# Altium PCB Motor_Controller.PcbDoc (part 1 of 2) (continued)
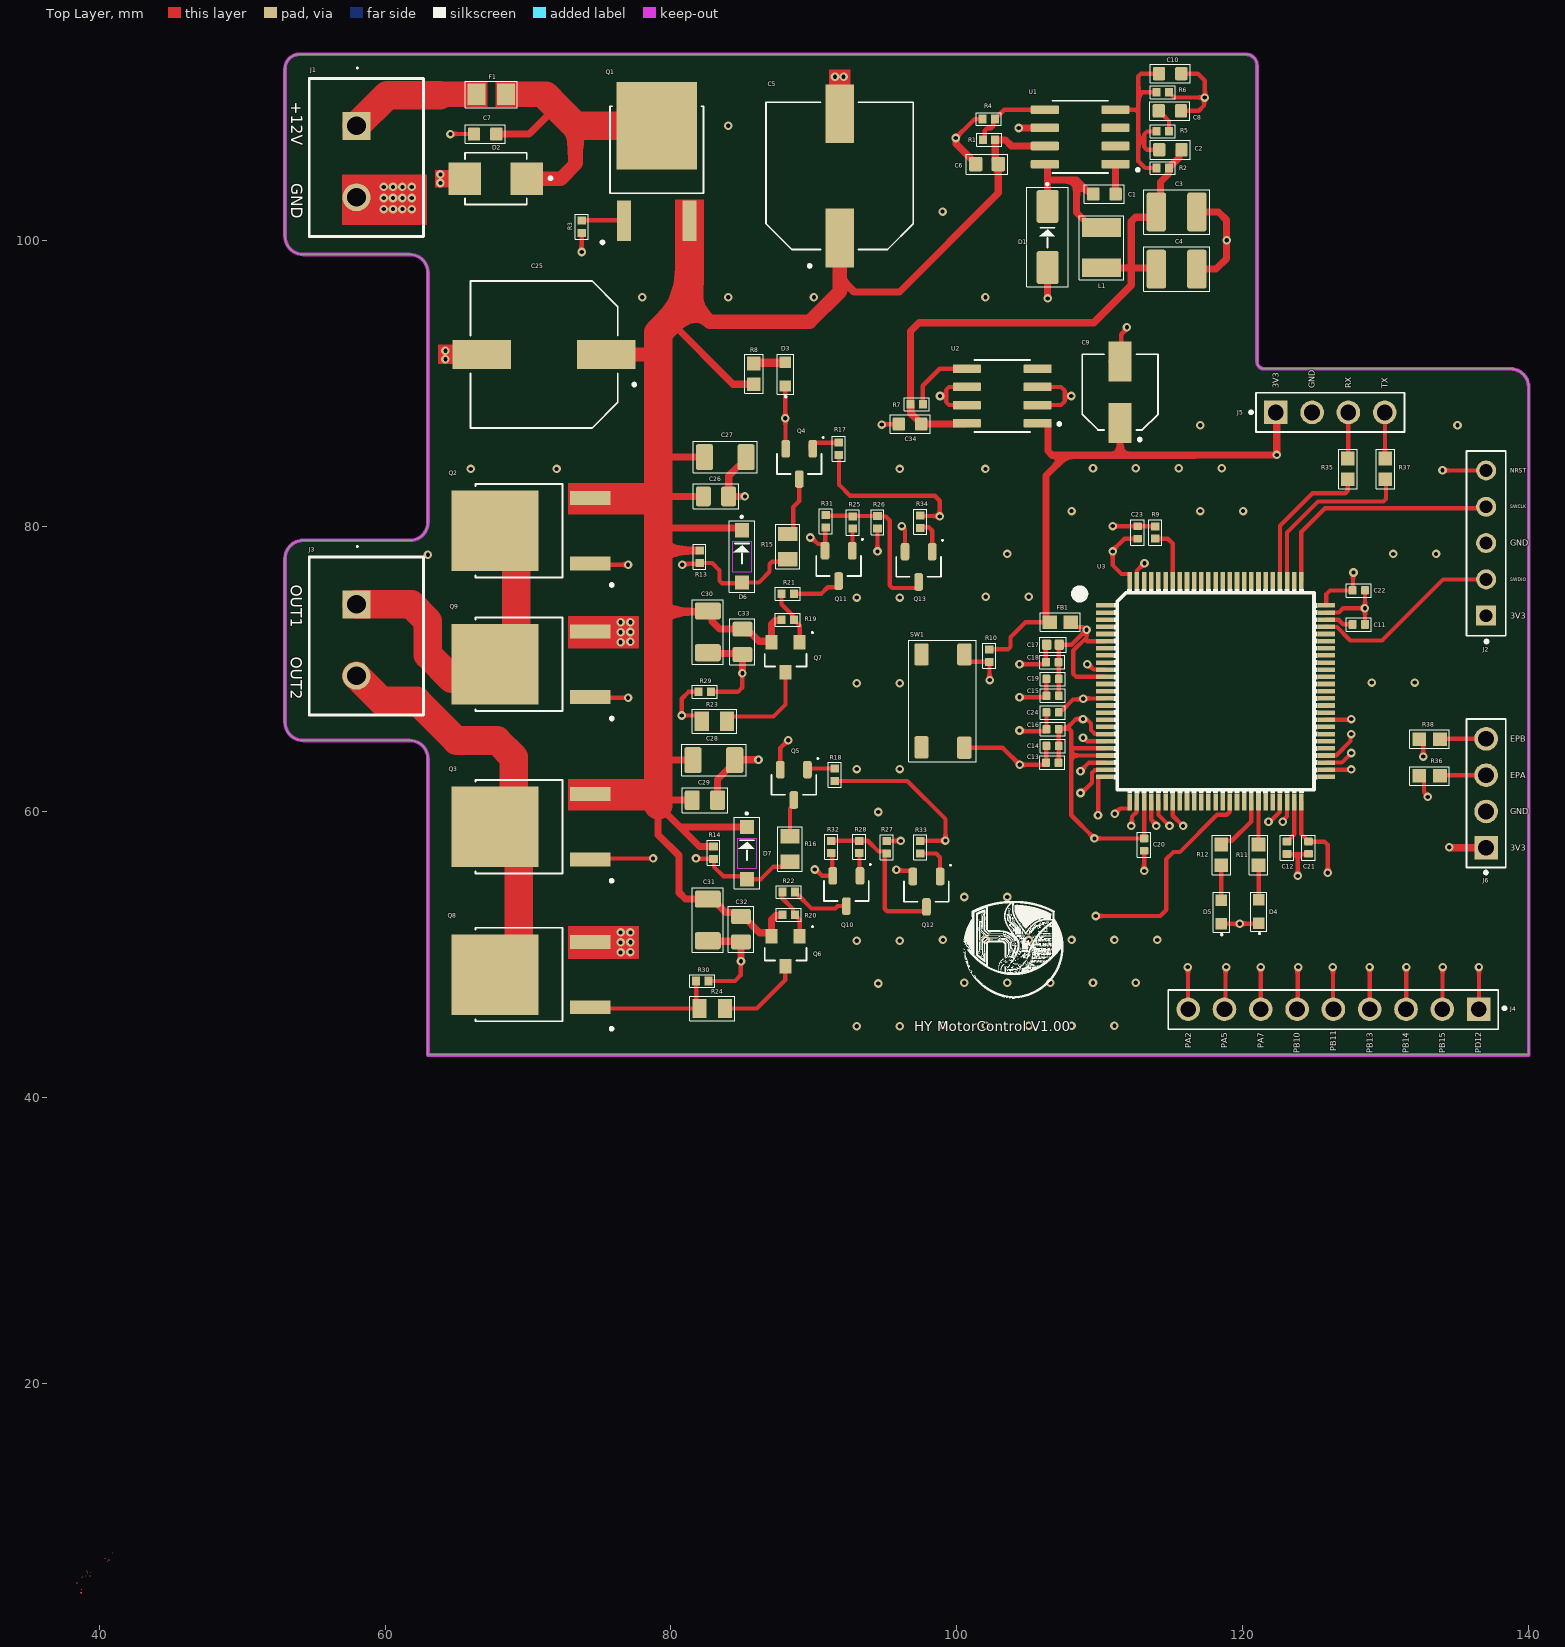
[diagram p0: Top Layer view]
## Components (designator, comment, footprint, x,y, rotation, side; value= is the part's Value field where it differs from the comment)
C1 "100nF" "CAP 0603 100NF" 110.325,103.225 r180 top
C2 "2.2µF" "CAP 0603 2.2UF" 114.935,106.325 r0 top
C3 "47µF" CL32A476KOJNNNE 115.375,101.975 r180 top
C4 "47µF" CL32A476KOJNNNE 115.375,97.975 r180 top
C5 "100µF" CAP_EEHZA1H101P 91.8,104.5 r90 top
C6 "4.7µF" "CAP 0603 4.7UF" 102.11,105.325 r0 top
C7 "100nF" "CAP 0603 100NF" 67,107.425 r0 top
C8 "100nF" "CAP 0603 100NF" 114.9,109.05 r180 top
C9 "10µF" CAP_EEEFK1H100UR 111.425,89.375 r90 top
C10 "150pF" "CAP 0603 150PF" 114.92,111.65 r180 top
C11 "2.2µF" "CAP 0402 2.2UF" 128.118,73.125 r180 top
C12 "2.2µF" "CAP 0402 2.2UF" 123.1,57.5 r90 top
C13 "1µF" "CAP 1UF 0402" 106.675,63.45 r0 top
C14 "100nF" "CAP 100NF 0402" 106.7,64.621 r0 top
C15 "1µF" "CAP 1UF 0402" 106.7,68.136 r0 top
C16 "100nF" "CAP 100NF 0402" 106.7,65.793 r0 top
C17 "4.7µF" "CAP 0402 4.7UF" 106.725,71.7 r0 top
C18 "100nF" "CAP 100NF 0402" 106.675,70.479 r0 top
C19 "100nF" "CAP 100NF 0402" 106.7,69.307 r0 top
C20 "100nF" "CAP 100NF 0402" 113.1,57.718 r90 top
C21 "100nF" "CAP 100NF 0402" 124.6,57.5 r90 top
C22 "100nF" "CAP 100NF 0402" 128.118,75.5 r180 top
C23 "100nF" "CAP 100NF 0402" 112.65,79.55 r270 top
C24 "100nF" "CAP 100NF 0402" 106.7,66.964 r0 top
C25 "100µF" CAP_EEHZA1H101P 71.125,92 r180 top
C26 "100nF" CL21B104KBCNNNC 83.15,82.075 r180 top
C27 "2.2µF" CAPC3216X180N 83.8,84.825 r180 top
C28 "2.2µF" CAPC3216X180N 83,63.625 r180 top
C29 "100nF" CL21B104KBCNNNC 82.375,60.825 r180 top
C30 "2.2µF" CAPC3216X180N 82.575,72.6 r270 top
C31 "2.2µF" CAPC3216X180N 82.575,52.45 r90 top
C32 "100nF" CL21B104KBCNNNC 84.9,51.8 r90 top
C33 "100nF" CL21B104KBCNNNC 85,71.9 r270 top
C34 "100nF" "CAP 0603 100NF" 96.725,87.135 r0 top
D1 "B340AE-13" "DIODE B340AE-13" 106.35,100.225 r270 top
D2 "SMBJ15A-HT" "TVS DIODE SMBJ15A" 67.75,104.3 r180 top
D3 "LED GREEN" "LED GREEN 0603 APT1608CGCK" 88,90.625 r90 top
D4 "LED RED" "LED RED 0603 APT1608EC" 121.125,53.025 r90 top
D5 "LED GREEN" "LED GREEN 0603 APT1608CGCK" 118.5,53 r90 top
D6 "BZT52C15-7-F" "DIODE ZENER BZT52C15-7-F" 84.975,75.875 r270 top
D7 "BZT52C15-7-F" "DIODE ZENER BZT52C15-7-F" 85.325,55.125 r270 top
F1 "FUSE 4A" "FUSE 0805 MFU0805FF04000P100" 67.425,110.2 r180 top
FB1 "BLM18PG221SN1D" "FB 0603 BLM18PG221SN1D" 107.225,73.275 r0 top
J1 "2x1 5mm T.B." "TERMINAL BLOCK 2X1" 58,108 r270 top
J2 "Header 5x1" "5X1 HEADER" 137.025,78.81 r90 top
J3 "2x1 5mm T.B." "TERMINAL BLOCK 2X1" 58,74.525 r270 top
J4 "Header 9x1" "9X1 HEADER" 126.342,46.149 r180 top
J5 "Header 4x1" "4X1 HEADER" 126.12,87.95 r0 top
J6 "Header 4x1" "4X1 HEADER" 137.025,61.305 r90 top
L1 "68µH" "IND CBC3225T680KR 68UH" 110.125,99.475 r270 top
Q1 "PJD50P04" "TO252 (DPAK) IRFR024NTRPBF" 79,105.5 r90 top
Q2 "IRFR9024N" "TO252 (DPAK) IRFR024NTRPBF" 70.2,79.675 r180 top
Q3 "IRFR9024N" "TO252 (DPAK) IRFR024NTRPBF" 70.2,58.975 r180 top
Q4 "MMBT2222A" "SOT23-3 MMBT2222A-HT" 88.975,84.35 r270 top
Q5 "MMBT2222A" "SOT23-3 MMBT2222A-HT" 88.6,61.9 r270 top
Q6 "MMBT2907A" TRANS_MMBT2907A 88.02,50.25 r270 top
Q7 "MMBT2907A" TRANS_MMBT2907A 88.02,70.825 r270 top
Q8 "IRFR024NTRPBF" "TO252 (DPAK) IRFR024NTRPBF" 70.2,48.625 r180 top
Q9 "IRFR024NTRPBF" "TO252 (DPAK) IRFR024NTRPBF" 70.2,70.325 r180 top
Q10 "MMBT2222A" "SOT23-3 MMBT2222A-HT" 92.275,54.475 r270 top
Q11 "MMBT2222A" "SOT23-3 MMBT2222A-HT" 91.725,77.215 r270 top
Q12 "MMBT2222A" "SOT23-3 MMBT2222A-HT" 97.875,54.425 r270 top
Q13 "MMBT2222A" "SOT23-3 MMBT2222A-HT" 97.325,77.15 r270 top
R1 "100k" "RES 0402 ROYALOHM GENERAL" 102.25,107.025 r0 top
R2 "10k" "RES 0402 ROYALOHM GENERAL" 114.41,105.05 r0 top
R3 "10k" "RES 0402 ROYALOHM GENERAL" 73.75,100.95 r90 top
R4 "36k" "RES 0402 ROYALOHM GENERAL" 102.24,108.475 r0 top
R5 "1.8k" "RES 0402 ROYALOHM GENERAL" 114.4,107.625 r180 top
R6 "3.24k" "RES 0402 ROYALOHM GENERAL" 114.4,110.35 r180 top
R7 "10k" "RES 0402 ROYALOHM GENERAL" 97.185,88.535 r0 top
R8 "4.7k" "ROYALOHM 0603 RES" 85.8,90.65 r270 top
R9 "10k" "RES 0402 ROYALOHM GENERAL" 113.875,79.55 r90 top
R10 "10k" "RES 0402 ROYALOHM GENERAL" 102.275,70.94 r90 top
R11 "360R" "ROYALOHM 0603 RES" 121.1,57 r90 top
R12 "330R" "ROYALOHM 0603 RES" 118.5,57 r90 top
R13 "10k" "RES 0402 ROYALOHM GENERAL" 82,77.85 r90 top
R14 "10k" "RES 0402 ROYALOHM GENERAL" 82.975,57.15 r90 top
R15 "402R" "CHIP RES 0805 1K" 88.175,78.575 r270 top
R16 "402R" "CHIP RES 0805 1K" 88.325,57.4 r90 top
R17 "2.2k" "RES 0402 ROYALOHM GENERAL" 91.75,85.4 r90 top
R18 "2.2k" "RES 0402 ROYALOHM GENERAL" 91.45,62.6 r270 top
R19 "10k" "RES 0402 ROYALOHM GENERAL" 88.175,73.45 r180 top
R20 "10k" "RES 0402 ROYALOHM GENERAL" 88.24,52.8 r180 top
R21 "1k" "RES 0402 ROYALOHM GENERAL" 88.175,75.275 r180 top
R22 "1k" "RES 0402 ROYALOHM GENERAL" 88.25,54.4 r0 top
R23 "200R" "CHIP RES 0805 1K" 83.05,66.35 r180 top
R24 "200R" "CHIP RES 0805 1K" 82.875,46.25 r0 top
R25 "1k" "RES 0402 ROYALOHM GENERAL" 92.725,80.25 r270 top
R26 "1k" "RES 0402 ROYALOHM GENERAL" 94.45,80.275 r270 top
R27 "1k" "RES 0402 ROYALOHM GENERAL" 95.108,57.54 r270 top
R28 "1k" "RES 0402 ROYALOHM GENERAL" 93.167,57.55 r90 top
R29 "47k" "RES 0402 ROYALOHM GENERAL" 82.35,68.4 r0 top
R30 "47k" "RES 0402 ROYALOHM GENERAL" 82.2,48.175 r180 top
R31 "47k" "RES 0402 ROYALOHM GENERAL" 90.825,80.325 r270 top
R32 "47k" "RES 0402 ROYALOHM GENERAL" 91.225,57.55 r90 top
R33 "10k" "RES 0402 ROYALOHM GENERAL" 97.45,57.525 r270 top
R34 "10k" "RES 0402 ROYALOHM GENERAL" 97.45,80.3 r270 top
R35 "47R" "ROYALOHM 0603 RES" 127.35,84 r270 top
R36 "47R" "ROYALOHM 0603 RES" 133.075,62.525 r180 top
R37 "47R" "ROYALOHM 0603 RES" 129.975,84 r270 top
R38 "47R" "ROYALOHM 0603 RES" 133.075,65.1 r180 top
SW1 "SWITCH" "PTS647SM50SMTR2 SMD BUTTON" 98.595,67.799 r90 top
U1 "TPS5410D" SOIC127TPS5410DR 108.625,107.225 r180 top
U2 "L4931ABD33-TR" "LDO L4931ABD33-TR SOIC8" 103.175,89.1 r180 top
U3 "STM32F407VET6" LQFP100-0.5-13.8X13.8MM 118.1,68.45 r0 top

## Footprints (in the part's own frame and the unit in brackets; to place one, negate y for a bottom-side part, rotate by r counter-clockwise, add the part's x,y. Pads: shape width x height; smd on the part's side, far side on the other; paste and mask are expansions set on the pad)
"4X1 HEADER" [mm]
  rect 1.65x1.65 / inner round 1.65 / far side rect 1.65x1.65 hole 1.1: 1(-3.81,0)
  round 1.65 hole 1.1: 2(-1.27,0) 3(1.27,0) 4(3.81,0)
  silkscreen extent -5.64,-1.37 5.21,1.37, body extent -5.08,-1.27 5.08,1.27, height 9.2
"5X1 HEADER" [mm]
  rect 1.398x1.398 / inner round 1.398 / far side rect 1.398x1.398 hole 0.89: 1(-5.08,0)
  round 1.398 hole 0.89: 2(-2.54,0) 3(0,0) 4(2.54,0) 5(5.08,0)
  silkscreen extent -6.98,-1.37 6.45,1.37, body extent -6.35,-1.27 6.35,1.27, height 7.89
"9X1 HEADER" [mm]
  rect 1.65x1.65 / inner round 1.65 / far side rect 1.65x1.65 hole 1.1: 1(-10.16,-0.051)
  round 1.65 hole 1.1: 2(-7.62,-0.051) 3(-5.08,-0.051) 4(-2.54,-0.051) 5(0,-0.051) 6(2.54,-0.051) 7(5.08,-0.051) 8(7.62,-0.051) 9(10.16,-0.051)
  silkscreen extent -12.07,-1.4 11.56,1.35, body extent -11.4,-1.3 11.46,1.24, height 9.2
"CAP 1UF 0402" [mm]
  rrect25% 0.54x0.6 smd: 1(-0.432,0) 2(0.432,0)
  silkscreen extent -0.88,-0.48 0.87,0.48, body extent -0.5,-0.25 0.5,0.25, height 0.55
"CAP 100NF 0402" [mm]
  rrect25% 0.54x0.6 smd: 1(-0.432,0) 2(0.432,0)
  silkscreen extent -0.87,-0.48 0.87,0.48, body extent -0.5,-0.25 0.5,0.25, height 0.55
"CAP 0402 2.2UF" [mm]
  rrect25% 0.56x0.63 smd paste+0 mask+0.102: 1(-0.435,0) 2(0.435,0)
  silkscreen extent -0.87,-0.48 0.87,0.48, body extent -0.5,-0.25 0.5,0.25, height 0.6
"CAP 0402 4.7UF" [mm]
  rrect25% 0.64x0.72 smd paste+0 mask+0.102: 1(-0.439,0) 2(0.439,0)
  silkscreen extent -0.92,-0.53 0.92,0.53, body extent -0.5,-0.25 0.5,0.25, height 0.55
"CAP 0603 2.2UF" [mm]
  rrect25% 0.87x0.93 smd: 1(-0.78,0) 2(0.78,0)
  silkscreen extent -1.4,-0.65 1.4,0.65, body extent -0.8,-0.45 0.8,0.45, height 0.78
"CAP 0603 4.7UF" [mm]
  rrect25% 0.94x1.02 smd paste+0 mask+0.102: 1(-0.79,0) 2(0.79,0)
  silkscreen extent -1.45,-0.7 1.45,0.7, body extent -0.8,-0.4 0.8,0.4, height 1
"CAP 0603 100NF" [mm]
  rrect25% 0.87x0.93 smd paste+0 mask+0.102: 1(-0.78,0) 2(0.78,0)
  silkscreen extent -1.4,-0.65 1.4,0.65, body extent -0.8,-0.4 0.8,0.4, height 0.9
"CAP 0603 150PF" [mm]
  rrect25% 0.87x0.93 smd: 1(-0.78,0) 2(0.78,0)
  silkscreen extent -1.4,-0.65 1.4,0.65, body extent -0.8,-0.4 0.8,0.4, height 0.9
CAP_EEEFK1H100UR [mm]
  rect 2.8x1.6 smd: 1(-2.15,0) 2(2.15,0)
  silkscreen extent -3.42,-2.65 2.65,2.65, body extent -3,-2.65 3,2.65, height 5.8
CAP_EEHZA1H101P [mm]
  rect 4.1x2 smd: 1(-4.35,0) 2(4.35,0)
  silkscreen extent -6.4,-5.15 5.15,5.15, body extent -5.85,-5.15 5.85,5.15, height 10.2
CAPC3216X180N [mm]
  rrect25% 1.2x1.82 smd paste+0 mask+0.102: 1(-1.46,0) 2(1.46,0)
  silkscreen extent -2.25,-1.1 2.25,1.1, body extent -1.6,-0.8 1.6,0.8, height 1.8
"CHIP RES 0805 1K" [mm]
  rect 1x1.35 smd: 1(-0.875,0) 2(0.9,0)
  silkscreen extent -1.55,-0.85 1.58,0.85, body extent -0.95,-0.63 1.05,0.63, height 0.6
CL21B104KBCNNNC [mm]
  rrect25% 1.05x1.38 smd: 1(-0.888,0) 2(0.888,0)
  silkscreen extent -1.6,-0.87 1.6,0.87, body extent -1,-0.63 1,0.63, height 0.95
CL32A476KOJNNNE [mm]
  rrect25% 1.37x2.72 smd: 1(-1.421,0) 2(1.421,0)
  silkscreen extent -2.3,-1.55 2.3,1.55, body extent -1.52,-1.25 1.68,1.25, height 2.7
"DIODE B340AE-13" [mm]
  rrect25% 2.33x1.55 smd: A(2.135,0) C(-2.135,0)
  silkscreen extent -3.74,-1.45 3.47,1.45, body extent -2.6,-1.3 2.6,1.3, height 2.4
"DIODE ZENER BZT52C15-7-F" [mm]
  rect 1x1 smd paste+0 mask+0.102: A(-0.175,0) C(-3.825,0)
  Keep-Out Layer region: -0.889,-0.635 -3.048,-0.635 -3.048,0.635 -0.889,0.635
  silkscreen extent -4.82,-0.9 0.5,0.9, body extent -3.85,-0.77 -0.2,0.77, height 1.42
"FB 0603 BLM18PG221SN1D" [mm]
  rect 1x0.97 smd: 1(-0.735,0) 2(0.735,0)
  silkscreen extent -1.4,-0.65 1.4,0.65, body extent -0.84,-0.48 0.76,0.48, height 0.78
"FUSE 0805 MFU0805FF04000P100" [mm]
  rect 1.25x1.5 smd: 1(-1.025,0) 2(1.025,0)
  silkscreen extent -1.83,-0.92 1.83,0.92, body extent -1.03,-0.72 1.08,0.69, height 0.56
"IND CBC3225T680KR 68UH" [mm]
  rect 1.3x2.72 smd: 1(-1.41,0) 2(1.41,0)
  silkscreen extent -2.25,-1.55 2.25,1.55, body extent -1.6,-1.27 1.6,1.43, height 2.47
"LDO L4931ABD33-TR SOIC8" [mm]
  rrect25% 1.97x0.6 smd: 1(-2.475,1.905) 2(-2.475,0.635) 3(-2.475,-0.635) 4(-2.475,-1.905) 5(2.475,-1.905) 6(2.475,-0.635) 7(2.475,0.635) 8(2.475,1.905)
  silkscreen extent -4.09,-2.52 1.95,2.52, body extent -3,-2.45 3,2.45, height 1.75
"LED GREEN 0603 APT1608CGCK" [mm]
  rect 0.8x0.8 smd: A(0.825,0) C(-0.825,0)
  silkscreen extent -1.59,-0.58 1.4,0.58, body extent -0.8,-0.4 0.8,0.4, height 0.75
"LED RED 0603 APT1608EC" [mm]
  rect 0.8x0.8 smd: A(0.825,0) C(-0.825,0)
  silkscreen extent -1.53,-0.55 1.38,0.55, body extent -0.8,-0.4 0.8,0.4, height 0.75
LQFP100-0.5-13.8X13.8MM [mm]
  rect 1.2x0.32 smd: 1(-7.75,6) 2(-7.75,5.5) 3(-7.75,5) 4(-7.75,4.5) 5(-7.75,4) 6(-7.75,3.5) 7(-7.75,3) 8(-7.75,2.5) 9(-7.75,2) 10(-7.75,1.5) 11(-7.75,1) 12(-7.75,0.5) 13(-7.75,0) 14(-7.75,-0.5) 15(-7.75,-1) 16(-7.75,-1.5) 17(-7.75,-2) 18(-7.75,-2.5) 19(-7.75,-3) 20(-7.75,-3.5) 21(-7.75,-4) 22(-7.75,-4.5) 23(-7.75,-5) 24(-7.75,-5.5) 25(-7.75,-6) 51(7.75,-6) 52(7.75,-5.5) 53(7.75,-5) 54(7.75,-4.5) 55(7.75,-4) 56(7.75,-3.5) 57(7.75,-3) 58(7.75,-2.5) 59(7.75,-2) 60(7.75,-1.5) 61(7.75,-1) 62(7.75,-0.5) 63(7.75,0) 64(7.75,0.5) 65(7.75,1) 66(7.75,1.5) 67(7.75,2) 68(7.75,2.5) 69(7.75,3) 70(7.75,3.5) 71(7.75,4) 72(7.75,4.5) 73(7.75,5) 74(7.75,5.5) 75(7.75,6)
  rect 0.32x1.2 smd: 26(-6,-7.75) 27(-5.5,-7.75) 28(-5,-7.75) 29(-4.5,-7.75) 30(-4,-7.75) 31(-3.5,-7.75) 32(-3,-7.75) 33(-2.5,-7.75) 34(-2,-7.75) 35(-1.5,-7.75) 36(-1,-7.75) 37(-0.5,-7.75) 38(0,-7.75) 39(0.5,-7.75) 40(1,-7.75) 41(1.5,-7.75) 42(2,-7.75) 43(2.5,-7.75) 44(3,-7.75) 45(3.5,-7.75) 46(4,-7.75) 47(4.5,-7.75) 48(5,-7.75) 49(5.5,-7.75) 50(6,-7.75) 76(6,7.75) 77(5.5,7.75) 78(5,7.75) 79(4.5,7.75) 80(4,7.75) 81(3.5,7.75) 82(3,7.75) 83(2.5,7.75) 84(2,7.75) 85(1.5,7.75) 86(1,7.75) 87(0.5,7.75) 88(0,7.75) 89(-0.5,7.75) 90(-1,7.75) 91(-1.5,7.75) 92(-2,7.75) 93(-2.5,7.75) 94(-3,7.75) 95(-3.5,7.75) 96(-4,7.75) 97(-4.5,7.75) 98(-5,7.75) 99(-5.5,7.75) 100(-6,7.75)
  silkscreen extent -9.81,-7.13 7.11,7.11, body extent -8,-8 8,8, height 1.6
"PTS647SM50SMTR2 SMD BUTTON" [mm]
  rrect25% 1.55x1 smd paste+0 mask+0.102: 1(-3.277,1.067) 2(-3.302,-1.93) 3(3.226,1.067) 4(3.226,-1.93)
  silkscreen extent -4.28,-2.75 4.2,1.95, body extent -3.33,-2.66 3.17,1.84, height 5
"RES 0402 ROYALOHM GENERAL" [mm]
  rect 0.56x0.6 smd: 1(-0.435,0) 2(0.435,0)
  silkscreen extent -0.87,-0.45 0.87,0.45, body extent -0.5,-0.25 0.5,0.25, height 0.35
"ROYALOHM 0603 RES" [mm]
  rect 0.95x0.95 smd: 1(-0.725,0) 2(0.725,0)
  silkscreen extent -1.38,-0.65 1.38,0.65, body extent -0.77,-0.4 0.83,0.4, height 0.55
SOIC127TPS5410DR [mm]
  rrect25% 1.97x0.6 smd paste+0 mask+0.102: 1(-2.47,1.905) 2(-2.47,0.635) 3(-2.47,-0.635) 4(-2.47,-1.905) 5(2.47,-1.905) 6(2.47,-0.635) 7(2.47,0.635) 8(2.47,1.905)
  silkscreen extent -4.14,-2.52 1.95,2.52, body extent -3,-2.45 3,2.45, height 1.75
"SOT23-3 MMBT2222A-HT" [mm]
  rrect50% 1.23x0.6 smd: 1(-1.06,0.95) 2(-1.06,-0.95) 3(1.06,0)
  silkscreen extent -1.9,-1.56 0.7,1.73, body extent -1.2,-1.46 1.2,1.46, height 1.2
"TERMINAL BLOCK 2X1" [mm]
  rect 1.95x1.95 hole 1.3: 1(0,0)
  round 1.95 hole 1.3: 2(5,0)
  silkscreen extent -4.09,-3.3 7.75,4.7, body extent -3.1,-3.1 7.5,4.5, height 10
"TO252 (DPAK) IRFR024NTRPBF" [mm]
  rect 2.83x0.97 smd: 1(-4.14,2.29) 3(-4.14,-2.29)
  rect 6.1x5.63 smd paste-4: 4(2.51,0)
  silkscreen extent -5.75,-3.27 3.87,3.89, body extent -4.95,-3.27 4.95,3.27, height 2.39
TRANS_MMBT2907A [mm]
  rect 1x0.85 smd paste+0 mask+0.102: 1(-1.05,0.98) 2(-1.05,-0.98) 3(1.05,0)
  silkscreen extent -1.77,-1.46 0.65,1.92, body extent -1.19,-1.46 1.19,1.46, height 1.12
"TVS DIODE SMBJ15A" [mm]
  rect 2.28x2.28 smd paste+0 mask+0.102: A(2.165,0) C(-2.159,0)
  silkscreen extent -3.93,-1.81 2.16,1.81, body extent -2.68,-1.81 2.68,1.81, height 2.65

## Part data
C1 C7 C8 C34: library part "CAP 0603 100nF", "MLCC (1608) 0603 100nF 50VDC ±10% X7R AUTOMOTIVE CL10B104KB85PNC", Dielectric Material=X7R, Manufacturer=SAMSUNG, Manufacturer Code=CL10B104KB85PNC, Operation Temperature="-55 °C ~ +125 °C", Package / Case="0603 (1608 Metric)", Tolerance="±10 %", Voltage Rating="50 VDC", Capacitance=100nF, Manufacturer Site=https://www.ozdisan.com/en/p/smt-smd-and-mlcc-capacitors-184/samsung-cl10b104kb85pnc-522216, Mounting Type=SMT
C2: library part "CAP 0603 2.2uF", "MLCC (1608) 0603 2.2uF 16VDC ±10% X5R CL10A225KO8NNNC", Dielectric Material=X5R, Manufacturer=SAMSUNG, Manufacturer Code=CL10A225KO8NNNC, Operation Temperature="-55 °C ~ +85 °C", Package / Case="0603 (1608 Metric)", Tolerance="±10 %", Voltage Rating="16 VDC", Capacitance=2.2µF, Manufacturer Site=https://www.ozdisan.com/en/p/smt-smd-and-mlcc-capacitors-184/samsung-cl10a225ko8nnnc-497655, Mounting Type=SMT
C3 C4: library part "CAP 1210 47µF", "MLCC 1210 47uF 16VDC ±10% X5R   CL32A476KOJNNNE", Dielectric Material=X5R, Manufacturer=SAMSUNG, Manufacturer Code=CL32A476KOJNNNE, Operation Temperature="-55 °C ~ +85 °C", Tolerance="±10 %", Voltage Rating="16 VDC", Capacitance=47µF, Manufacturer Site=https://www.ozdisan.com/en/p/smt-smd-and-mlcc-capacitors-184/samsung-cl32a476kojnnne-423179
C5 C25: library part "CAP 100µF", "CAP.EL.100µF 50V 10.5x10.5 105C SMD", Capacitor Type=Hybrid, Manufacturer=Panasonic, Manufacturer Code=EEH-ZA1H101P, Operating Temp.="-55 °C ~ +105 °C", Package=Radial, Surge Current="2 A", Tolerance="±20 %", Voltage Value=50VDC, Capacitance=100µF, Manufacturer Site=https://www.ozdisan.com/p/aluminyum-kapasitorler-180/panasoniceurope-eehza1h101p-614536
C6: library part "CAP 0603 4.7uF CL10A475KL8NRNC", "MLCC (1608) 0603 4.7uF 35VDC ±10% X5R CL10A475KL8NRNC", Dielectric Material=X5R, Manufacturer=SAMSUNG, Manufacturer Code=CL10A475KL8NRNC, Operation Temperature="-55 °C ~ +85 °C", Package / Case="0603 (1608 Metric)", Tolerance="±10 %", Voltage Rating="35 VDC", Capacitance=4.7µF, Manufacturer Site=https://www.ozdisan.com/en/p/smt-smd-and-mlcc-capacitors-184/samsung-cl10a475kl8nrnc-620226, Mounting Type=SMT
C9: library part "CAP 10µF Electrolytic", "CAP.EL.10uF 50V 5x5.8 105C 2000H AEC-Q200 SMT", Capacitor Type=Electrolytic, Manufacturer=PANASONIC, Manufacturer Code=EEEFK1H100UR, Operating Temperature="85 mA", Tolerance="±20 %", Voltage Rating="50 VDC", Capacitance=10µF, Manufacturer Site=https://www.ozdisan.com/en/p/aluminyum-kapasitorler-180/panasoniceurope-eeefk1h100ur-1102281
C10: library part "CAP 0603 150pF", "MLCC (1608) 0603 150pF 50VDC ±5% C0G (NP0) CL10C151JB8NNNC", Dielectric Material="C0G (NP0)", Manufacturer=SAMSUNG, Manufacturer Code=CL10C151JB8NNNC, Operation Temperature="-55 °C ~ +125 °C", Package / Case="0603 (1608 Metric)", Tolerance="±5 %", Voltage Rating="50 VDC", Capacitance=150pF, Manufacturer Site=https://www.ozdisan.com/en/p/smt-smd-and-mlcc-capacitors-184/samsung-cl10c151jb8nnnc-29957, Mounting Type=SMT
C11 C12: library part "CAP 0402 2.2uF CL05A225KO5NQNC", "MLCC (1005) 0402 2.2uF 16VDC ±10% X5R CL05A225KO5NQNC", Dielectric Material=X5R, Manufacturer=SAMSUNG, Manufacturer Code=CL05A225KO5NQNC, Operation Temperature="-55 °C ~ +85 °C", Package / Case="0402 (1005 Metric)", Tolerance="±10 %", Voltage Rating="16 VDC", Capacitance=2.2µF, Manufacturer Site=https://www.ozdisan.com/en/p/smt-smd-and-mlcc-capacitors-184/samsung-cl05a225ko5nqnc-521869
C13 C15: library part "CAP 0402 1µF CL05A105KO5NNNC", "MLCC (1005) 0402 1uF 16VDC ±10% X5R CL05A105KO5NNNC", Dielectric Material=X5R, Manufacturer=SAMSUNG, Manufacturer Code=CL05A105KO5NNNC, Operation Temperature="-55 °C ~ +85 °C", Package / Case="0402 (1005 Metric)", Tolerance="±10 %", Voltage Rating="16 VDC", Capacitance=1µF, Manufacturer Site=https://www.ozdisan.com/en/p/smt-smd-and-mlcc-capacitors-184/samsung-cl05a105ko5nnnc-402953, Mounting Type=SMT
C14 C16 C18 C19 C20 C21 C22 C23: library part "CAP 0402 100nF", "MLCC (1005) 0402 100nF 16VDC ±10% X7R", Capacitance="100 nF", Dielectric Material=X7R, Manufacturer=SAMSUNG, Manufacturer Code=CL05B104KO5NNNC, Operation Temperature="-55 °C ~ +125 °C", Package / Case="0402 (1005 Metric)", Tolerance="±10 %", Voltage Rating="16 VDC", Manufacturer Site=https://www.ozdisan.com/en/p/smt-smd-and-mlcc-capacitors-184/samsung-cl05b104ko5nnnc-336698, Mounting Type=SMT
C17: library part "CAP 0402 4.7uF CL05A475MO5LUNC", "MLCC (1005) 0402 4.7uF 16VDC ±20% X5R CL05A475MO5LUNC", Dielectric Material=X5R, Manufacturer=SAMSUNG, Manufacturer Code=CL05A475MO5LUNC, Operation Temperature="-55 °C ~ +85 °C", Package / Case="0402 (1005 Metric)", Tolerance="±20 %", Voltage Rating="16 VDC", Capacitance=4.7µF, Manufacturer Site=https://www.ozdisan.com/en/p/smt-smd-and-mlcc-capacitors-184/samsung-cl05a475mo5lunc-1212612, Mounting Type=SMT
C24: library part "CAP 0402 100nF CL05B104KO5NNNC", "MLCC (1005) 0402 100nF 16VDC ±10% X7R CL05B104KO5NNNC", Capacitance="100 nF", Dielectric Material=X7R, Manufacturer=SAMSUNG, Manufacturer Code=CL05B104KO5NNNC, Operation Temperature="-55 °C ~ +125 °C", Package / Case="0402 (1005 Metric)", Tolerance="±10 %", Voltage Rating="16 VDC", Manufacturer Site=https://www.ozdisan.com/en/p/smt-smd-and-mlcc-capacitors-184/samsung-cl05b104ko5nnnc-336698, Mounting Type=SMT
C26 C29 C32 C33: library part "CAP 0805 100nF", "MLCC 0805 100nF 50VDC ±10% X7R", Dielectric=X7R, Manufacturer=SAMSUNG, Manufacturer Code=CL21B104KBCNNNC, Operating Temp.="-55 °C ~ +125 °C", Package Size=0805, Tolerance="±10 %", Voltage Rating=50VDC, Capacitance=100nF, Manufacturer Site=https://www.ozdisan.com/p/smt-smd-ve-mlcc-kapasitorler-184/samsung-cl21b104kbcnnnc-14777
C27 C28 C30 C31: library part "CAP 1206 2.2µF", "MLCC 1206 2.2µF 50VDC ±10% X7R", Dielectric=X7R, Manufacturer=SAMSUNG, Manufacturer Code=CL31B225KBHVPNE, Operating Temp.="-55 °C ~ +125 °C", Tolerance="±10 %", Voltage Value=50VDC, Capacitance=2.2µF, Manufacturer Site=https://www.ozdisan.com/p/smt-smd-ve-mlcc-kapasitorler-184/samsung-cl31b225kbhvpne-523411
D1: library part "DIODE SCHOTTKY B340AE-13", "DIODE SCHOTTKY 3A 40V SMA DO-214AC", Average Rectified Current=3A, Forward Voltage Drop=0.45V, Manufacturer=DIODES, Non-Repetitive Peak Forward Surge Current=80A, Operating Temperature="-55 °C ~ +150 °C", Peak Repetitive Reverse Voltage (VRRM)=40V, Manufacturer Code=B340AE-13, Manufacturer Site=https://www.ozdisan.com/en/p/schottky-diodes-385/diodes-b340ae-13-736716
D2: library part "DIODE TVS SMBJ15A-HT", "DIODE TVS 600W 15V DO214AA SMB", Manufacturer=HOTTECH, Operating Temp.="-55 °C ~ +150 °C", Peak Pulse Current=24.6, Category=TVS, Direction=Uni-Direction, Manufacturer Code=SMBJ15A-HT, Manufacturer Site=https://www.ozdisan.com/p/TVS-Diodes-386/hottech-smbj15a-ht-503592?gad_source=1&gad_campaignid=22862662318&gbraid=0AAAAADZaco9GRDpwp6nwxImxnSPU74-HV&gclid=CjwKCAiAmp3LBhAkEiwAJM2JUNsfUTvu17OkGEIhWr_5BT7x3v2LizKiIaGxyMlL1g7MMILW0EtdSxoCxEMQAvD_BwE, Vwm=15V
D3 D5: library part "SMD LED GREEN APT1608CGCK", "LED GREEN CLEAR CHIP SMD", Color=Green, Manufacturer=KINGBRIGHT, Manufacturer Code=APT1608CGCK, Max Power="75 mW", Operating Temp.="-30 °C ~ +85 °C", Package Size=0603, Transmission Current="30 mA", Transmission Voltage="2.1 - 2.5V", Light Intensity="18 - 35 cmd", Manufacturer Site=https://www.ozdisan.com/p/sinyal-ledler-tek-renkli-361/kingbright-apt1608cgck-1050108
D4: library part "SMD LED RED APT1608EC", "LED SMD 0603 RED 617nm CLEAR CHIP SMD", Manufacturer=KINGBRIGHT, Manufacturer Code=APT1608EC, Max Power="75 mW", Operating Temp.="-40 °C ~ +85 °C", Transmission Current="30 mA", Transmission Voltage="2.1V - 2.5V", Manufacturer Site=https://www.ozdisan.com/p/sinyal-ledler-tek-renkli-361/kingbright-apt1608ec-1046629
D6 D7: library part "DIODE ZENER 15V BZT52C15-7-F", "DIODE ZENER 500mW 15V ±5% SOD123 SMT", Manufacturer=DIODES, Operating Temp.="-65 °C ~ +150 °C", Power="500 mW", Reverse Current="100 nA", Tolerance="±5 %", Zener Voltage=15V, Manufacturer Code=BZT52C15-7-F, Manufacturer Site=https://www.ozdisan.com/p/zener-diyotlar-390/diodes-bzt52c15-7-f-444889
F1: library part FUSE, "FUSE BOARD MOUNT 0805 4A 32VDC", Breaking Capacity=50A, Current Rating=4A, Manufacturer=VISHAY, Manufacturer Code=MFU0805FF04000P100, Operating Temp.="-55°C~+125 °C", Voltage Rating=32VDC, Fuse Type="Fuse Board", Manufacturer Site=https://www.ozdisan.com/p/sigortalar-849/vishay-mfu0805ff04000p100-617478, Mounting Type=SMT
FB1: library part "Ferrite Bead BLM18PG221SN1D", "FERRITE BEAD 0805 330R/100MHZ  BLM18PG221SN1D  SMD", Current="1.5 A", DC Resistor(DCR)="100 m Ohms", Manufacturer=MURATA, Package Size=0805, Tolerance="±25 %", Manufacturer Code=BLM18PG221SN1D, Manufacturer Site=https://www.ozdisan.com/p/bead-feritler-469/murata-blm18pg221sn1d-484088, Impedance="330 Ohms"
J1 J3: library part "Terminal Block 2x1", "TERM.BLK.5.00MM 2P PCB TYPE 0 BOY BLUE", Current Rating=15A, Manufacturer=DEGSON, Manufacturer Code=DG301-5.0-02P-12-00AH, Operating Temp.="-40°C~+105 °C", Voltage Rating=300V, Manufacturer Site=https://www.ozdisan.com/p/pcb-klemensler-410/degson-dg301-5-0-02p-12-00ah-349366, Mounting Type=THT, Number of Pins=2
J2: library part "Header 5x1 for SWD", "PIN HEADER 5PIN (5x1) 2.54mm THT V/T", Manufacturer=CONNFLY, Manufacturer Code=DS1021-1X5SF11-B, Manufacturer Site=https://www.ozdisan.com/p/pin-headerlar-293/connfly-ds1021-1x5sf11-b-423156, Pin Overall Length="15.04 mm", Pin Spacing="2.54 mm", Insulation Height="2.5 mm"
J4: "PIN HEADER 5PIN (5x1) 2.54mm THT V/T", Manufacturer=CONNFLY, Manufacturer Code=DS1021-1X9SF11-B, Manufacturer Site=https://www.ozdisan.com/en/p/pin-headers-293/connfly-ds1021-1x9sf11-b-421995https://www.ozdisan.com/en/p/pin-headers-293/connfly-ds1021-1x9sf11-b-421995, Mounting Type="THT V/T", Pin Overall Length="15.04 mm", Pin Spacing="2.54 mm", Insulation Height="2.5 mm"
J5 J6: library part "Header 4x1 for Encoder", "PIN HEADER 5PIN (4x1) 2.54mm THT V/T", Manufacturer=AMPHENOL, Manufacturer Code=68000-404HLF, Manufacturer Site=https://www.ozdisan.com/p/pin-headerlar-293/amphenol-68000-404hlf-1056428, Pin Overall Length="15.04 mm", Pin Spacing="2.54 mm", Insulation Height="2.5 mm"
L1: library part "INDUCTOR 68µH SMD 744066680", "INDUCTOR FIXED 68UH 10x10mm SMD 744066680", Current Rating=1.5A, DC Resistance (DCR)="185 m Ohms", Manufacturer=WURTH, Manufacturer Code=744066680, Operating Temperature="-40 °C ~ +125 °C", Tolerance="±30 %", Manufacturer Site=https://www.ozdisan.com/p/sabit-induktorler-468/wurth-744066680-635583, Inductance=68µH
Q1: library part "P-CH Mosfet 40V 9A PJD50P04-AU_L2_000A1", "MOSFET DIS.50A 40V P-CH AUTOMOTIVE TO-252AA SMT", Current (25°C)="50 A", Manufacturer=PANJIT, Manufacturer Code=PJD50P04-AU_L2_000A1, Package / Case="TO252 (DPAK)", Power Dissipation="70 W", Voltage="40 V", Fet Type=P-CH, Manufacturer Site=https://www.ozdisan.com/en/p/discrete-mosfets-435/panjit-pjd50p04-au-l2-000a1-979715, Mounting Type=SMT, Rds On="10 m Ohms"
Q2 Q3: library part "P Channel Mosfet IRFR9024N", "MOSFET DIS.11A 55V P-CH TO252(DPAK) HEXFET SMT", Current="11 A", Manufacturer=INFINEON, Manufacturer Code=IRFR9024NTRPBF, Operating Temp.="-55 °C ~ +150 °C", Package="TO252 (DPAK)", Power="38 W", Voltage="55 V", Fet Type=P-CH, Manufacturer Site=https://www.ozdisan.com/p/discrete-mosfetler-435/infineon-irfr9024ntrpbf-474342
Q4 Q5 Q10 Q11 Q12 Q13: library part "NPN Transistor MMBT2222A-HT", "TRANSISTOR DIS.600mA 40V NPN SOT23 EPITAXIAL SMT", Manufacturer=HOTTECH, Manufacturer Code=MMBT2222A-HT, Operating Temp.="-55 °C ~ +150 °C", Power="250 mW", Vce ( Collector Emitter Voltage)=40V, Ic (Collector Current)="600 mA", Channel=NPN, Manufacturer Site=https://www.ozdisan.com/p/discrete-transistorler-442/hottech-mmbt2222a-ht-462248
Q6 Q7: library part "PNP Transistor MMBT2907A", "TRANSISTOR DIS.600mA 60V PNP SOT23 GEN. SMT", Manufacturer=PANJIT, Manufacturer Code=MMBT2907A_R1_00001, Operating Temp.="-55 °C ~ +150 °C", Power="225 mW", Vce (Collector Emitter Voltage)=60V, Ic (Collector Current)="600 mA", Channel=PNP, Manufacturer Site=https://www.ozdisan.com/p/discrete-transistorler-442/panjit-mmbt2907a-r1-00001-494451
Q8 Q9: library part "N Channel Mosfet IRFR024NTRPBF", "MOSFET DIS.17A 55V N-CH TO252(DPAK) HEXFET SMT", Current="17 A", Manufacturer=IR, Operating Temp.="-55 °C ~ +175 °C", Package="TO252 (DPAK)", Power=45W, Voltage="55 V", Fet Type="N - CH", Manufacturer Code=IRFR024NTRPBF, Manufacturer Site=https://www.ozdisan.com/p/discrete-mosfetler-435/ir-irfr024ntrpbf-372863
R1: library part "RES 0402 100k 0402WGF1003TCE", "RES.(1005) 0402 100K Ohms 1% 1/16W 100PPM / 0402WGF1003TCE", Manufacturer=ROYALOHM, Manufacturer Code=0402WGF1003TCE, Max Working Current=1A, Max Working Voltage=50V, Package / Case=0402, Power="1/16 W", Resistance Value="100 k Ohms", Tolerance="±5 %", Manufacturer Site=https://www.ozdisan.com/p/smt-smd-ve-cip-direncler-194/royalohm-0402wgf1003tce-359898
R2 R3 R7 R9 R10 R13 R14 R19 R20 R33 R34: library part "RES 0402 10k", "RES.(1005) 0402 10K Ohms 5% 1/16W 100PPM 0402WGJ0103TCE", Manufacturer=ROYALOHM, Manufacturer Code=0402WGJ0103TCE, Package Size=0402, Power=1/16W, Resistance Value="10k Ohms", Tolerance=%5, Voltage Rating=5V, Manufacturer Site=https://www.ozdisan.com/p/smt-smd-ve-cip-direncler-194/royalohm-0402wgj0103tce-362331
R4: library part "RES 0402 36k 0402WGF3602TCE", "RES.(1005) 0402 36K Ohms 1% 1/16W 100PPM 0402WGF3602TCE", Manufacturer=ROYALOHM, Manufacturer Code=0402WGF3602TCE, Max. Working Current=1A, Max. Working Voltage=50V, Power="1/16 W-S", Resistance Value="36 k Ohms", Tolerance="±1 %", Manufacturer Site=https://www.ozdisan.com/p/smt-smd-ve-cip-direncler-194/royalohm-0402wgf3602tce-359889
R5: library part "RES 0402 1.8k 0402WGJ0182TCE", "RES.(1005) 0402 1.8K Ohms 5% 1/16W 100PPM 0402WGJ0182TCE", Manufacturer=ROYALOHM, Manufacturer Code=0402WGJ0182TCE, Power="1/16 W", Resistance Value="1.8 k Ohms", Tolerance="±5 %", Working Voltage="50 V", Manufacturer Site=https://www.ozdisan.com/p/smt-smd-ve-cip-direncler-194/royalohm-0402wgj0182tce-506663
R6: library part "RES 0402 3.24k 0402WGF3241TCE", "RES 0805 3.24k Ohms 1% 1/8W-S 100PPM 0402WGF3241TCE", Manufacturer=ROYALOHM, Manufacturer Code=0402WGF3241TCE, Max Working Current=1A, Power="1/16 W-S", Resistance Value="3.24 k Ohms", Tolerance="±1 %", Working Voltage=50V, Manufacturer Site=https://www.ozdisan.com/p/smt-smd-ve-cip-direncler-194/royalohm-0402wgf3241tce-506267
R8: library part "RES 0402 4.7k 0603SAJ0472T5E", "RES.(1608) 0603 4.7K Ohms 5% 1/10W-S 100PPM 0603SAJ0472T5E", Manufacturer=ROYALOHM, Manufacturer Code=0603SAJ0472T5E, Package Size=0402, Power=1/16W, Resistance Value="4.7k Ohms", Tolerance="±5 %", Voltage Rating=50V, Manufacturer Site=https://www.ozdisan.com/p/smt-smd-ve-cip-direncler-194/royalohm-0603saj0472t5e-336241
R11: library part "RES 0603 360R 0603SAJ0361T5E", "RES.(1608) 0603 360 Ohms 5% 1/10W-S 100PPM 0603SAJ0361T5E", Manufacturer=ROYALOHM, Manufacturer Code=0603SAJ0361T5E, Resistance Value="360 Ohms", Tolerance="±5 %", Working Voltage="75 V", Manufacturer Site=https://www.ozdisan.com/en/p/smt-smd-and-chip-resistors-194/royalohm-0603saj0361t5e-404344
R12: library part "RES 0603 330R", "RES 0603 330 Ohms 5% 1/10W-S 100PPM", Manufacturer=ROYALOHM, Manufacturer Code=0603SAJ0331T5E, Package Size=0603, Power=1/10W, Resistance Value="330 Ohm", Tolerance="±5 %", Voltage Rating=75V, Manufacturer Site=https://www.ozdisan.com/p/smt-smd-ve-cip-direncler-194/royalohm-0603saj0331t5e-336229
R15 R16: library part "RES 0805 402 Ohms 0402WGF4020TCE", "RES.(2012) 0805 402 Ohms 1% 1/8W-S 100PPM 0805S8F4020T5E", Manufacturer=ROYALOHM, Manufacturer Code=0805S8F4020T5E, Max Working Current=2A, Max Working Voltage=150V, Package / Case=0805, Power="1/8 W", Resistance Value="402 Ohms", Tolerance="±1 %", Manufacturer Site=https://www.ozdisan.com/p/smt-smd-ve-cip-direncler-194/royalohm-0805s8f4020t5e-505424, Mounting Type=SMT
R17 R18: library part "RES 0402 2.2k 0402WGF2201TCE", "RES. 0805 2.2k Ohms 1% 1/8W-S 100PPM 0402WGF2201TCE", Manufacturer=ROYALOHM, Manufacturer Code=0805S8F2201T5E, Package Size=0402, Power="1/16 W", Resistance Value="2.2k Ohms", Tolerance=%1, Voltage Rating=50V, Manufacturer Site=https://www.ozdisan.com/p/smt-smd-ve-cip-direncler-194/royalohm-0402wgf2201tce-359862
R21 R22 R25 R26 R27 R28: library part "RES 0402 1k HP02WAF1001TCE", "RES.(1005) 0402 1K Ohms 1% 1/10W / HP02WAF1001TCE", Manufacturer=ROYALOHM, Manufacturer Code=HP02WAF1001TCE, Package Size=0402, Resistance Value="1k Ohms", Tolerance="±1 %", Voltage Rating=50V, Manufacturer Site=https://www.ozdisan.com/p/smt-smd-ve-cip-direncler-194/royalohm-hp02waf1001tce-603902
R23 R24: library part "RES 0805 200Ohms 0805S8J0201T5E", "RES.(2012) 0805 200 Ohms 5% 1/8W-S 100PPM / 0805S8J0201T5E", Manufacturer=ROYALOHM, Manufacturer Code=0805S8J0201T5E, Max Working Current=2A, Max Working Voltage=150V, Package / Case=0805, Resistance Value="200 Ohms", Tolerance="±5 %", ComponentLink1Description="New link", Manufacturer Site=https://www.ozdisan.com/p/smt-smd-ve-cip-direncler-194/royalohm-0805s8j0201t5e-39150, Mounting Type=SMT
R29 R30 R31 R32: library part "RES 0402 47k HP02WAF4702TCE", "RES.(1005) 0402 47K Ohms 1% 1/10W / HP02WAF4702TCE", Manufacturer=ROYALOHM, Manufacturer Code=HP02WAF4702TCE, Max Working Current=1A, Package Size=0402, Resistance Value="47k Ohms", Tolerance="±1 %", Voltage Rating=50V, Manufacturer Site=https://www.ozdisan.com/p/smt-smd-ve-cip-direncler-194/royalohm-0805s8j0473t5e-29835
R35 R36 R37 R38: library part "RES 0603 47R", "RES. 0603 47 Ohms 1% 1/8W-S 100PPM", Manufacturer=ROYALOHM, Manufacturer Code=CQ03SAJ0470T5E, Package Size=0603, Power=1/8W, Resistance Value="47 Ohms", Tolerance=%1, Voltage Rating=150V, Manufacturer Site=https://www.ozdisan.com/p/smt-smd-ve-cip-direncler-194/royalohm-cq03saj0470t5e-587918
SW1: library part "SMD BUTTON PTS647SM50SMTR2LFS", "SWITCH TACT 6.00x6.00 8.00mm 160gF SMT V/T PTS647SM50SMTR2LFS", Manufacturer=LITTELFUSE-C&K, Manufacturer Code=PTS647SM50SMTR2LFS, Max Current=50mA, Max Voltage=12V, Operating Temp.="-25 °C ~ +70 °C", Actuating Force="180 gF", Dimension="4.5x4.5 mm", Manufacturer Site=https://www.ozdisan.com/p/tact-sivicler-485/littelfuse-ck-pts647sm50smtr2lfs-1018623
U1: library part "Buck Converter TPS5410D", "IC-5410DR REG BUCK ADJ 1A 8SOIC SMD TI", Manufacturer="TEXAS TI", Operating Temperature="-40 °C ~ +125 °C", Output Current=1A, Output Voltage="Output Voltage", Package / Case=SOIC8, Switching Frequency="500 kHz", Input Voltage="5.5 to 36 V", Manufacturer Code=TPS5410D, Manufacturer Site=https://www.ozdisan.com/en/p/dc-dc-voltaj-regulatorleri-275/texas-tps5410dr-442302, Mounting Type=SMT, Output Type=Adjustable, Switching Function=Step-Down
U2: library part "LDO L4931ABD33", "IC REG LINEAR 3.3V 250MA 8SO L4931ABD33", Manufacturer=STM, Manufacturer Code=L4931ABD33, Operating Temperature="-40 °C ~ +125 °C", Output Current="250 mA", Output Voltage="3.3 V", Input Voltage (Operating)="4 to 20 V", Manufacturer Site=https://www.ozdisan.com/en/p/linear-voltage-regulators-279/stm-l4931abd33-tr-1325219
U3: library part MCU-STM32F407VET6(LQFP100), "IC-32F407V MCU 32BIT 512KB FLASH 100LQFP", Manufacturer=STM, Manufacturer Code=STM32F407VET6TR, Operating Temperature="-40 °C ~ +85 °C", Package / Case=LQFP100, Supply Voltage="1.8 to 3.6 V", Manufacturer Site=https://www.ozdisan.com/en/p/microcontrollers-218/stm-stm32f407vet6tr-492058, Memory Type=FLASH, Number of Bits="32 Bit", Program Memory Size="512 KB (512 K x 8)", Speed="168 MHz"

## Via types
v1: diameter 0.6, hole 0.3, Top Layer to Bottom Layer, tented both sides, 137 vias
v2: diameter 0.6, hole 0.3, Top Layer to Bottom Layer, 30 vias

## Nets (pads, with @x,y where several pads share a name; then routed paths per layer and width w, separated by ;. In a path a pad name is that pad's centre, name@x,y a point inside that pad or via, vN(x,y) a via of type N, cw(c..) or ccw(c..) an arc to the next point about the centre after c; other vN are vias at no path point)
+3V3: C9.1 FB1.1 J2.1 J5.1 J6.1 R10.2 U2.1 | length 84.4
  Top Layer w0.3: R10.2@102.275,71.375 103.574,71.375 103.75,71.551 103.75,72.225 104.8,73.275 106.24,73.275 FB1.1@106.49,73.275 ; U2.1@105.65,87.195 106.325,87.195 U2.1@106.375,87.145
  Top Layer w0.5: U2.1@106.375,87.145 106.375,85.243 106.668,84.95 107.65,84.95 ; FB1.1@106.49,73.275 106.475,73.275 106.24,73.51 106.24,83.54 107.65,84.95 ; C9.1@111.425,87.225 111.425,84.95 ; J5.1@122.375,87.885 v1(122.375,84.975) 116.699,84.975 116.674,84.95 111.425,84.95 ; v1(134.45,57.525) 134.477,57.525 134.507,57.495 J6.1@137.025,57.495 ; 107.65,84.95 111.425,84.95
  Layer 1 w0.5: v1(122.375,84.975) 130.575,84.975 132.1,83.45 132.1,75.591 134.6,73.091 ; v1(134.45,57.525) 134.45,65.097 134.6,65.247 134.6,73.091 ; J2.1@137.025,73.73 135.239,73.73 134.6,73.091